# Altium PCB 769BI_LTDC.PcbDoc (part 1 of 3)
Units mm, origin at the board's own origin, x right, y up, seen from the top; angles counter-clockwise.
Board outline 99 x 99 mm, 4 copper layers (Top Layer, GND, VCC_3, Bottom Layer), stack 0.778 mm thick; 232 components, 260 nets, 952 pads, 515 vias.
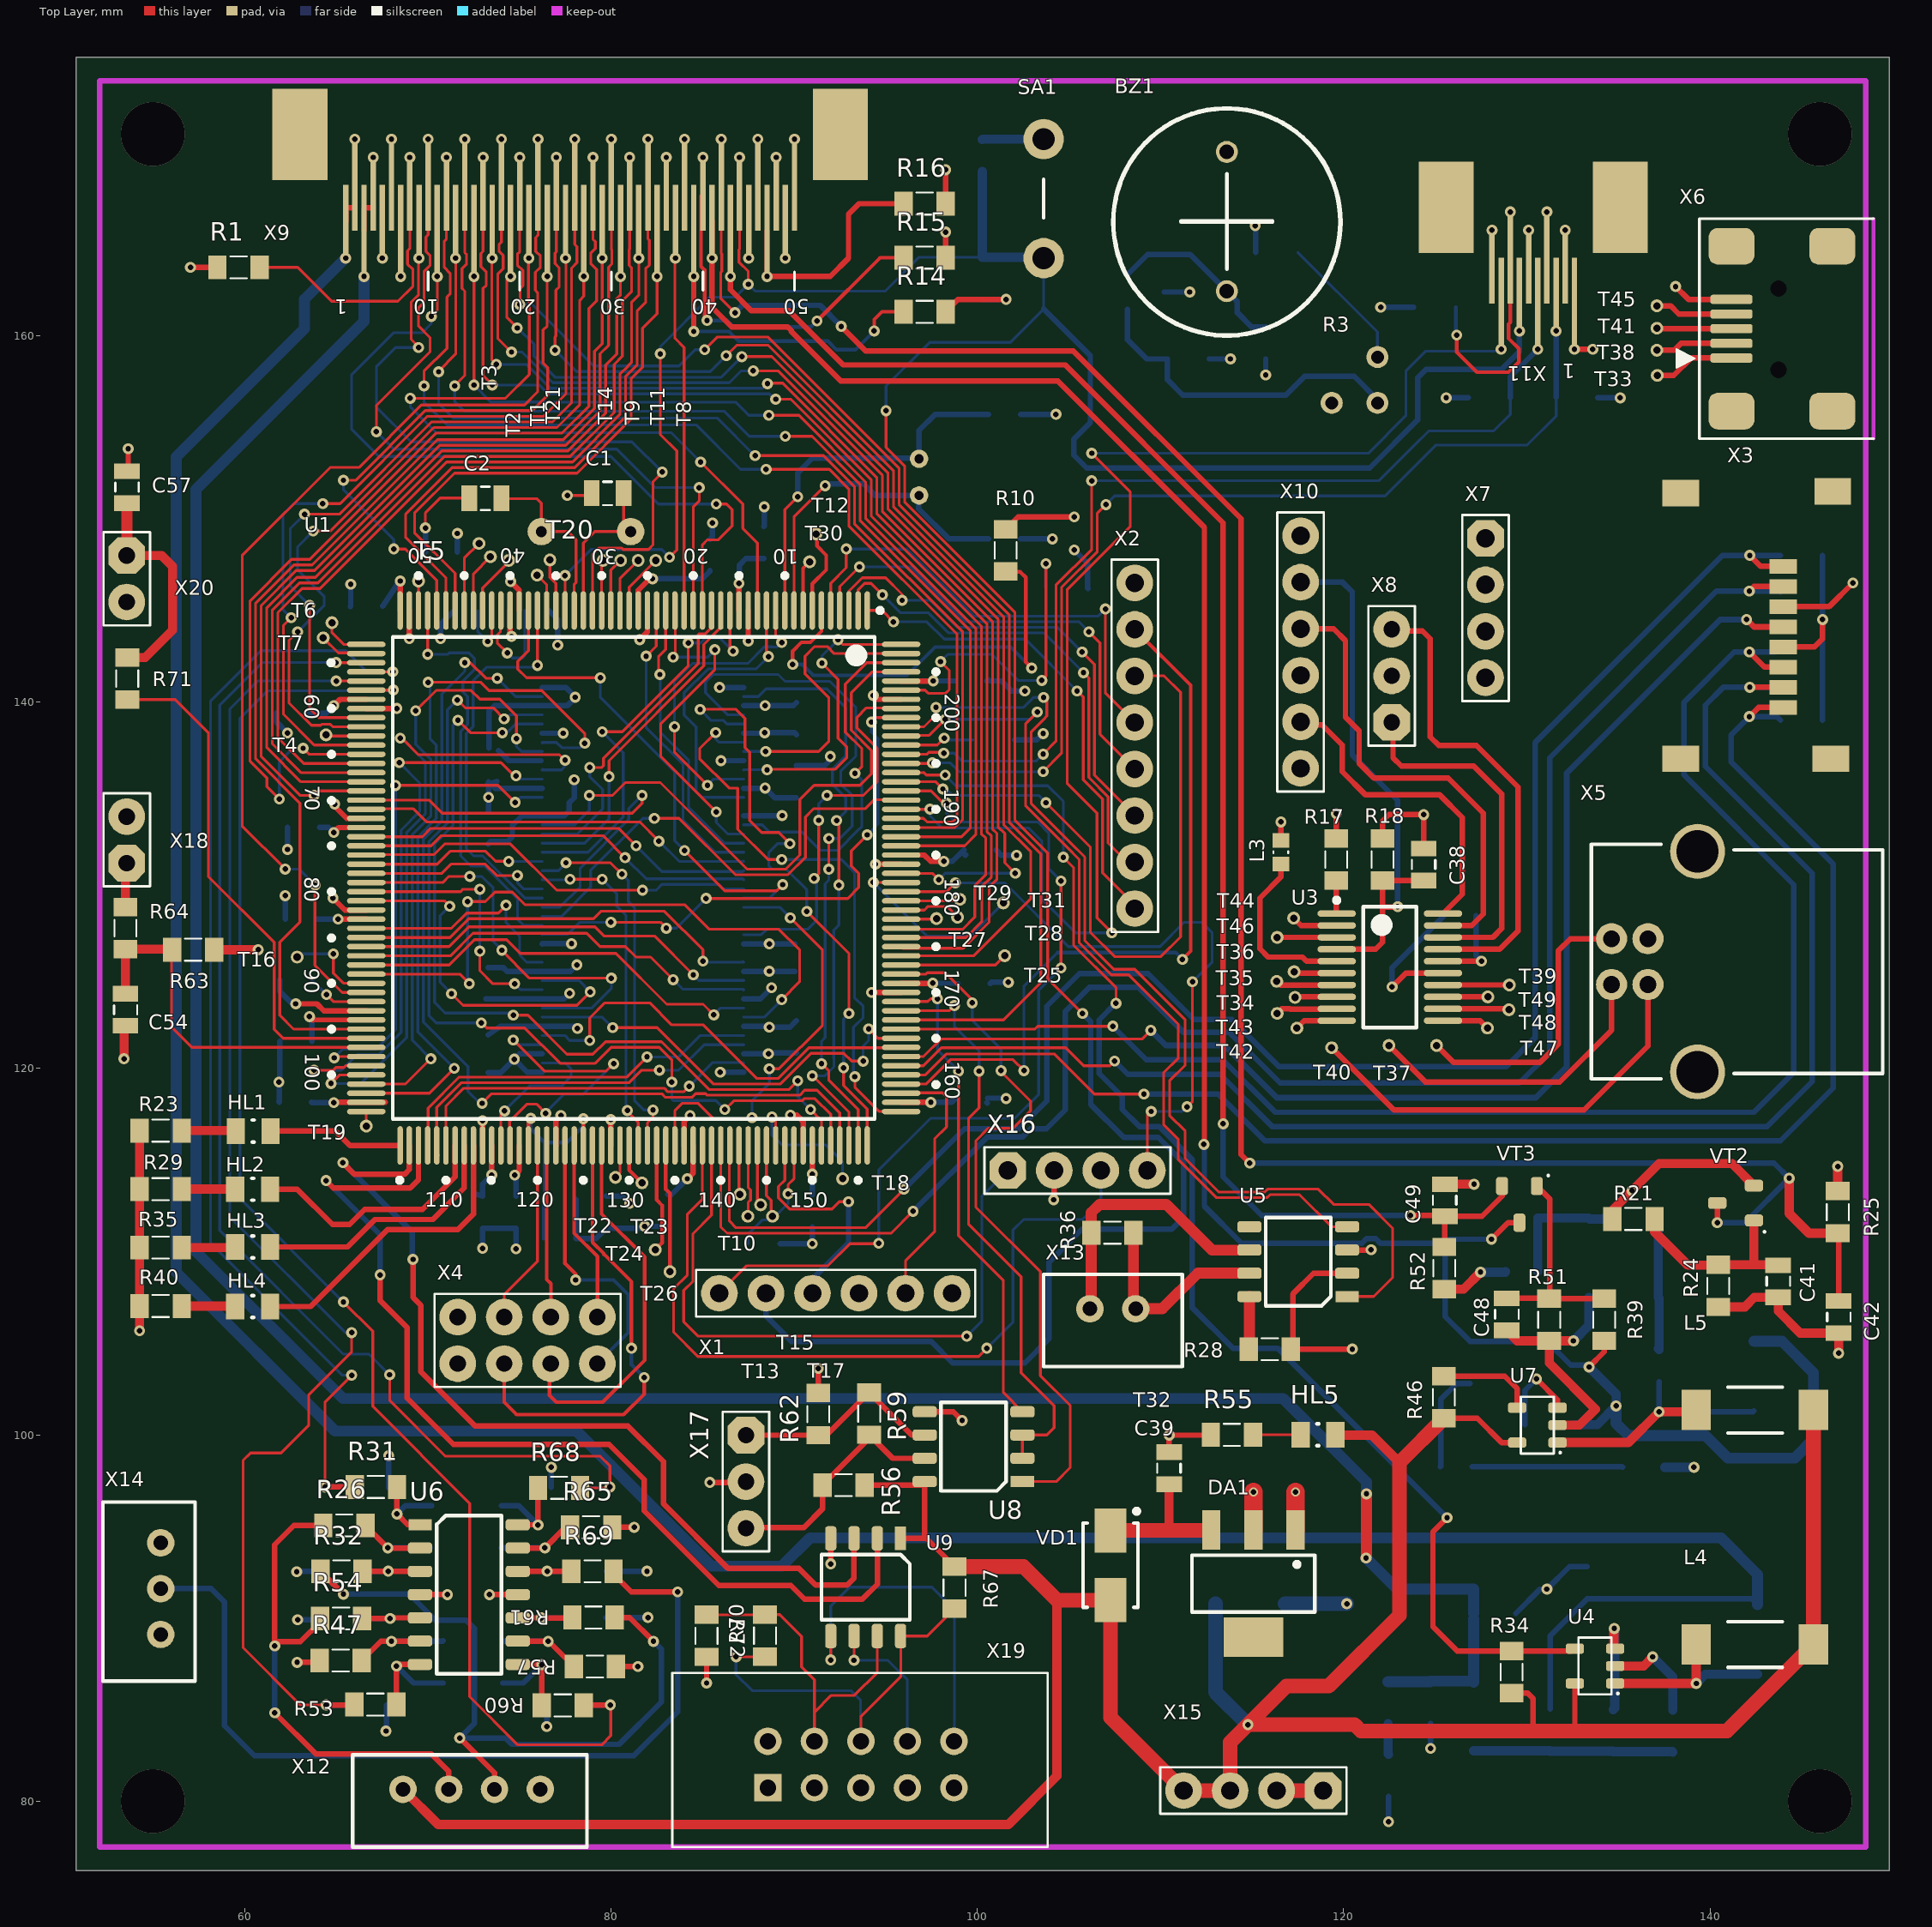
[diagram p0: Top Layer view]
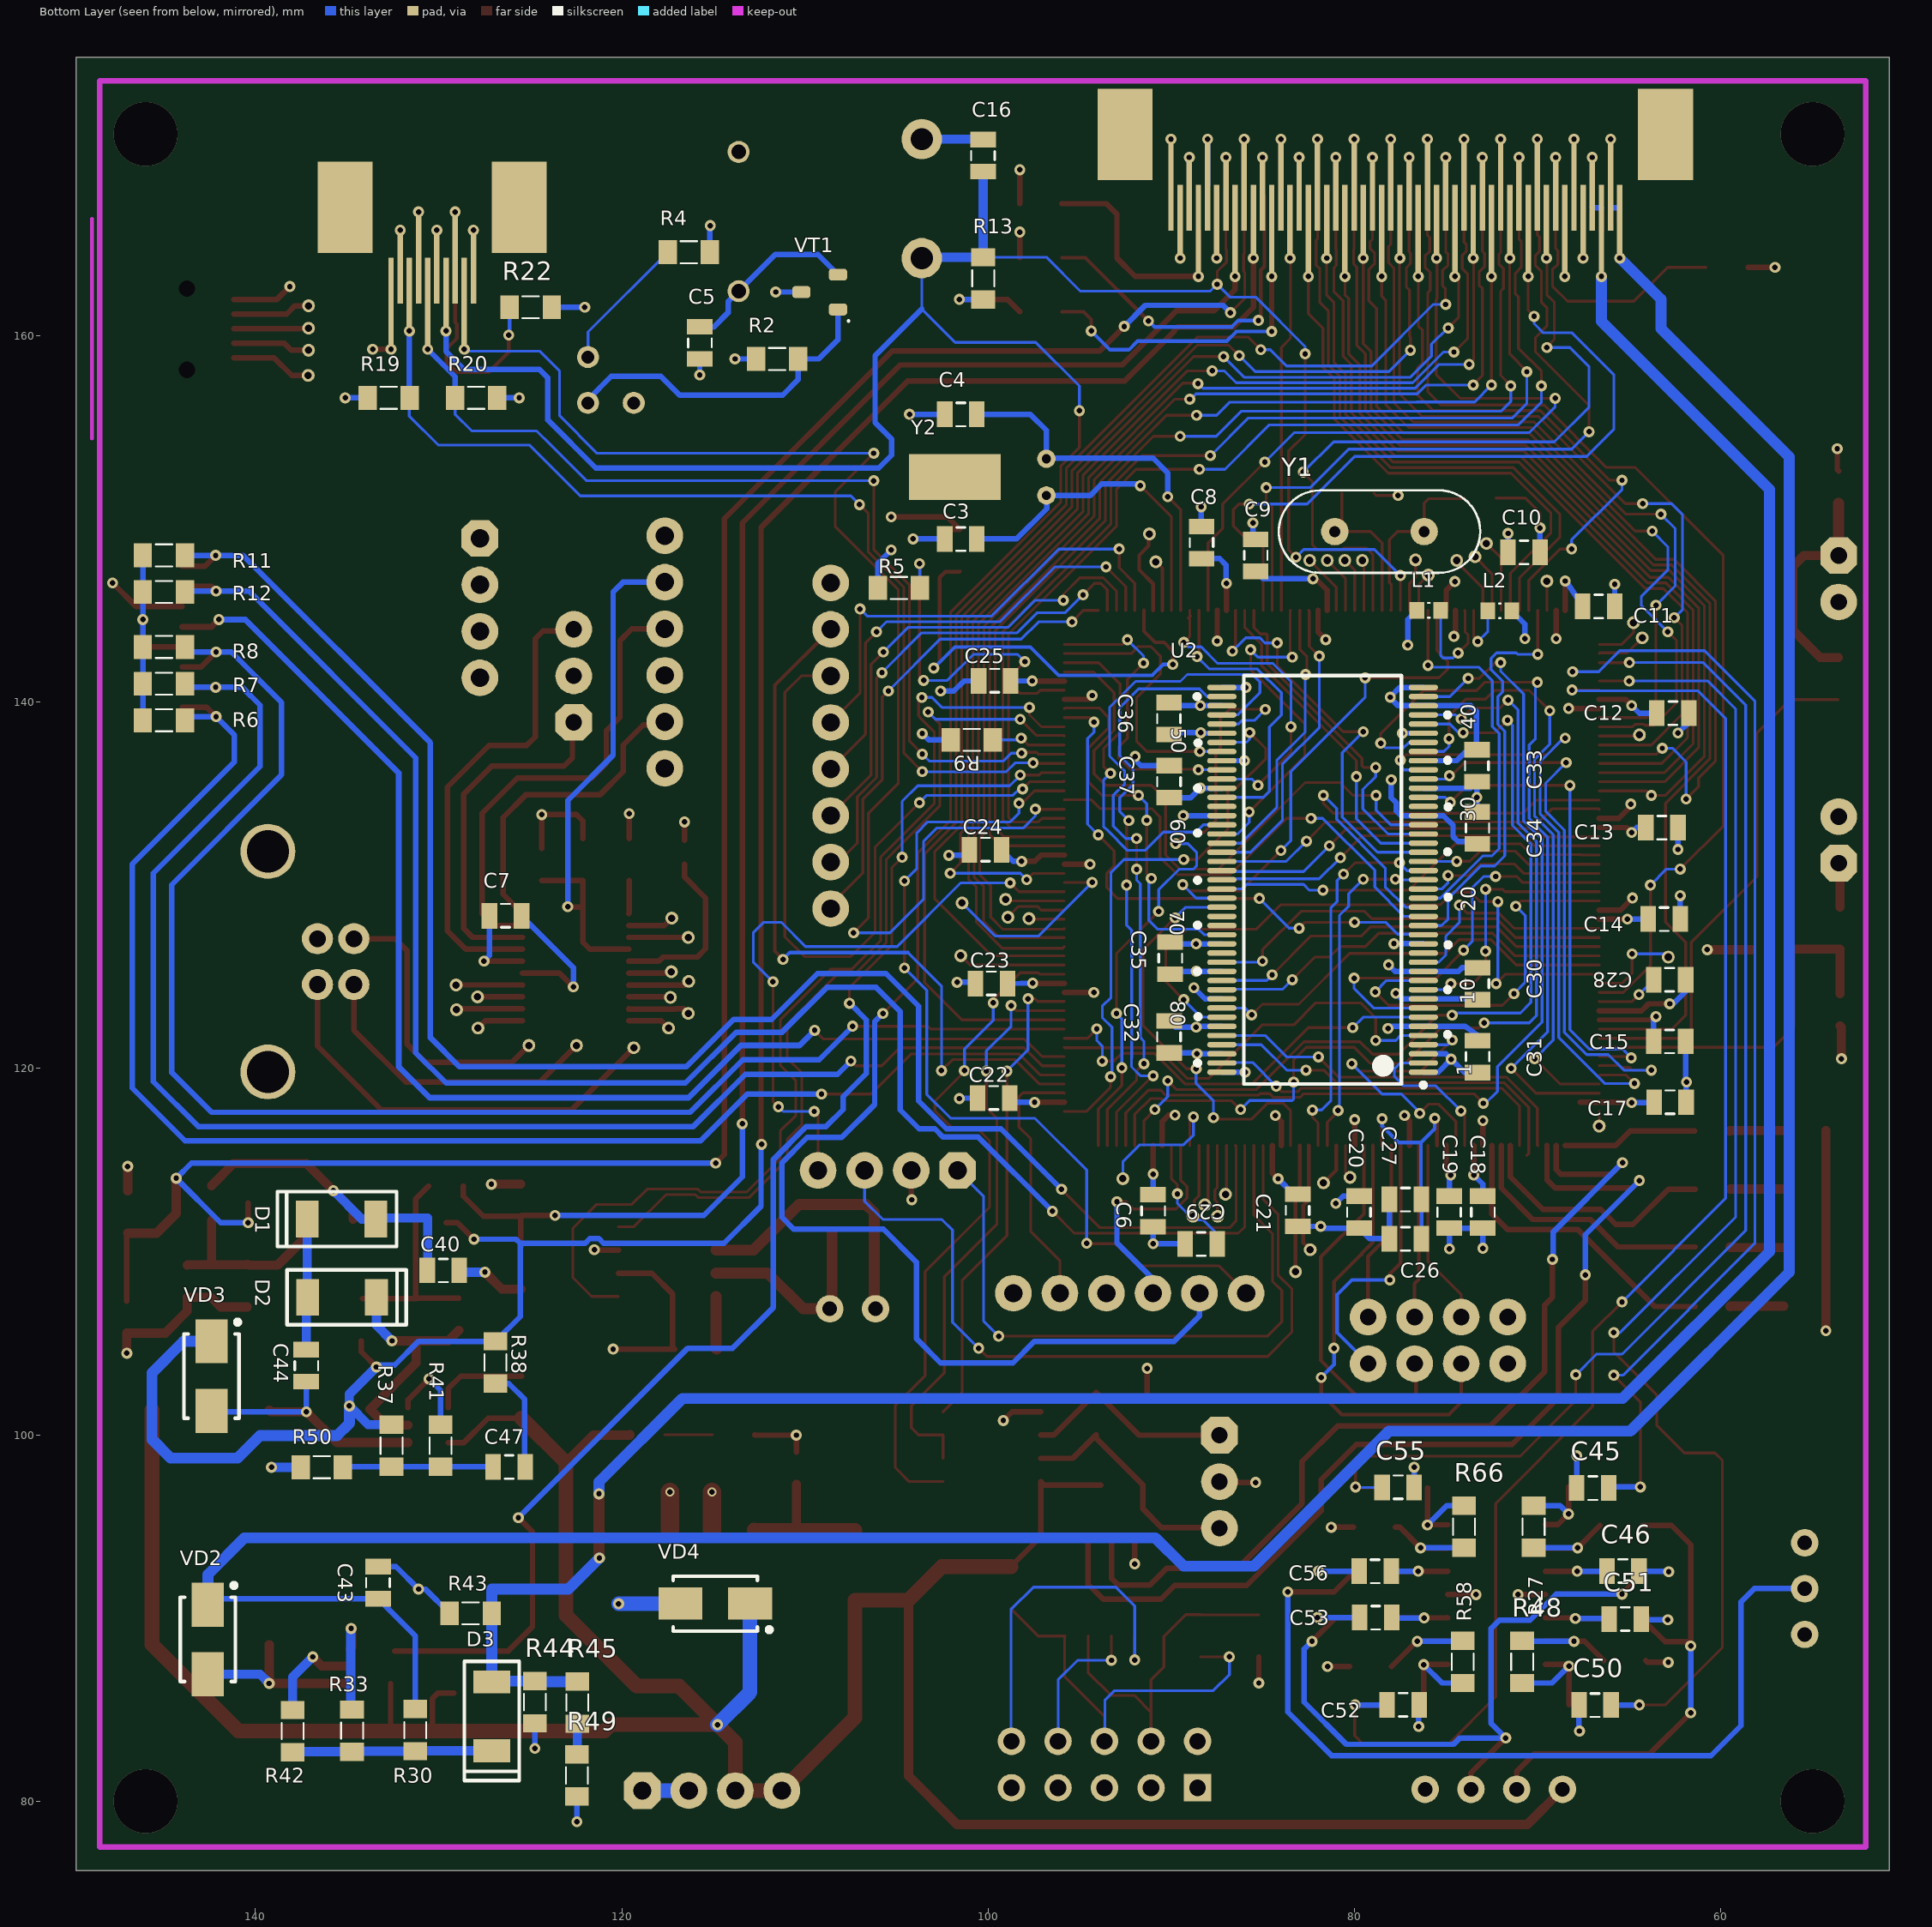
[diagram p1: Bottom Layer view, seen from below]
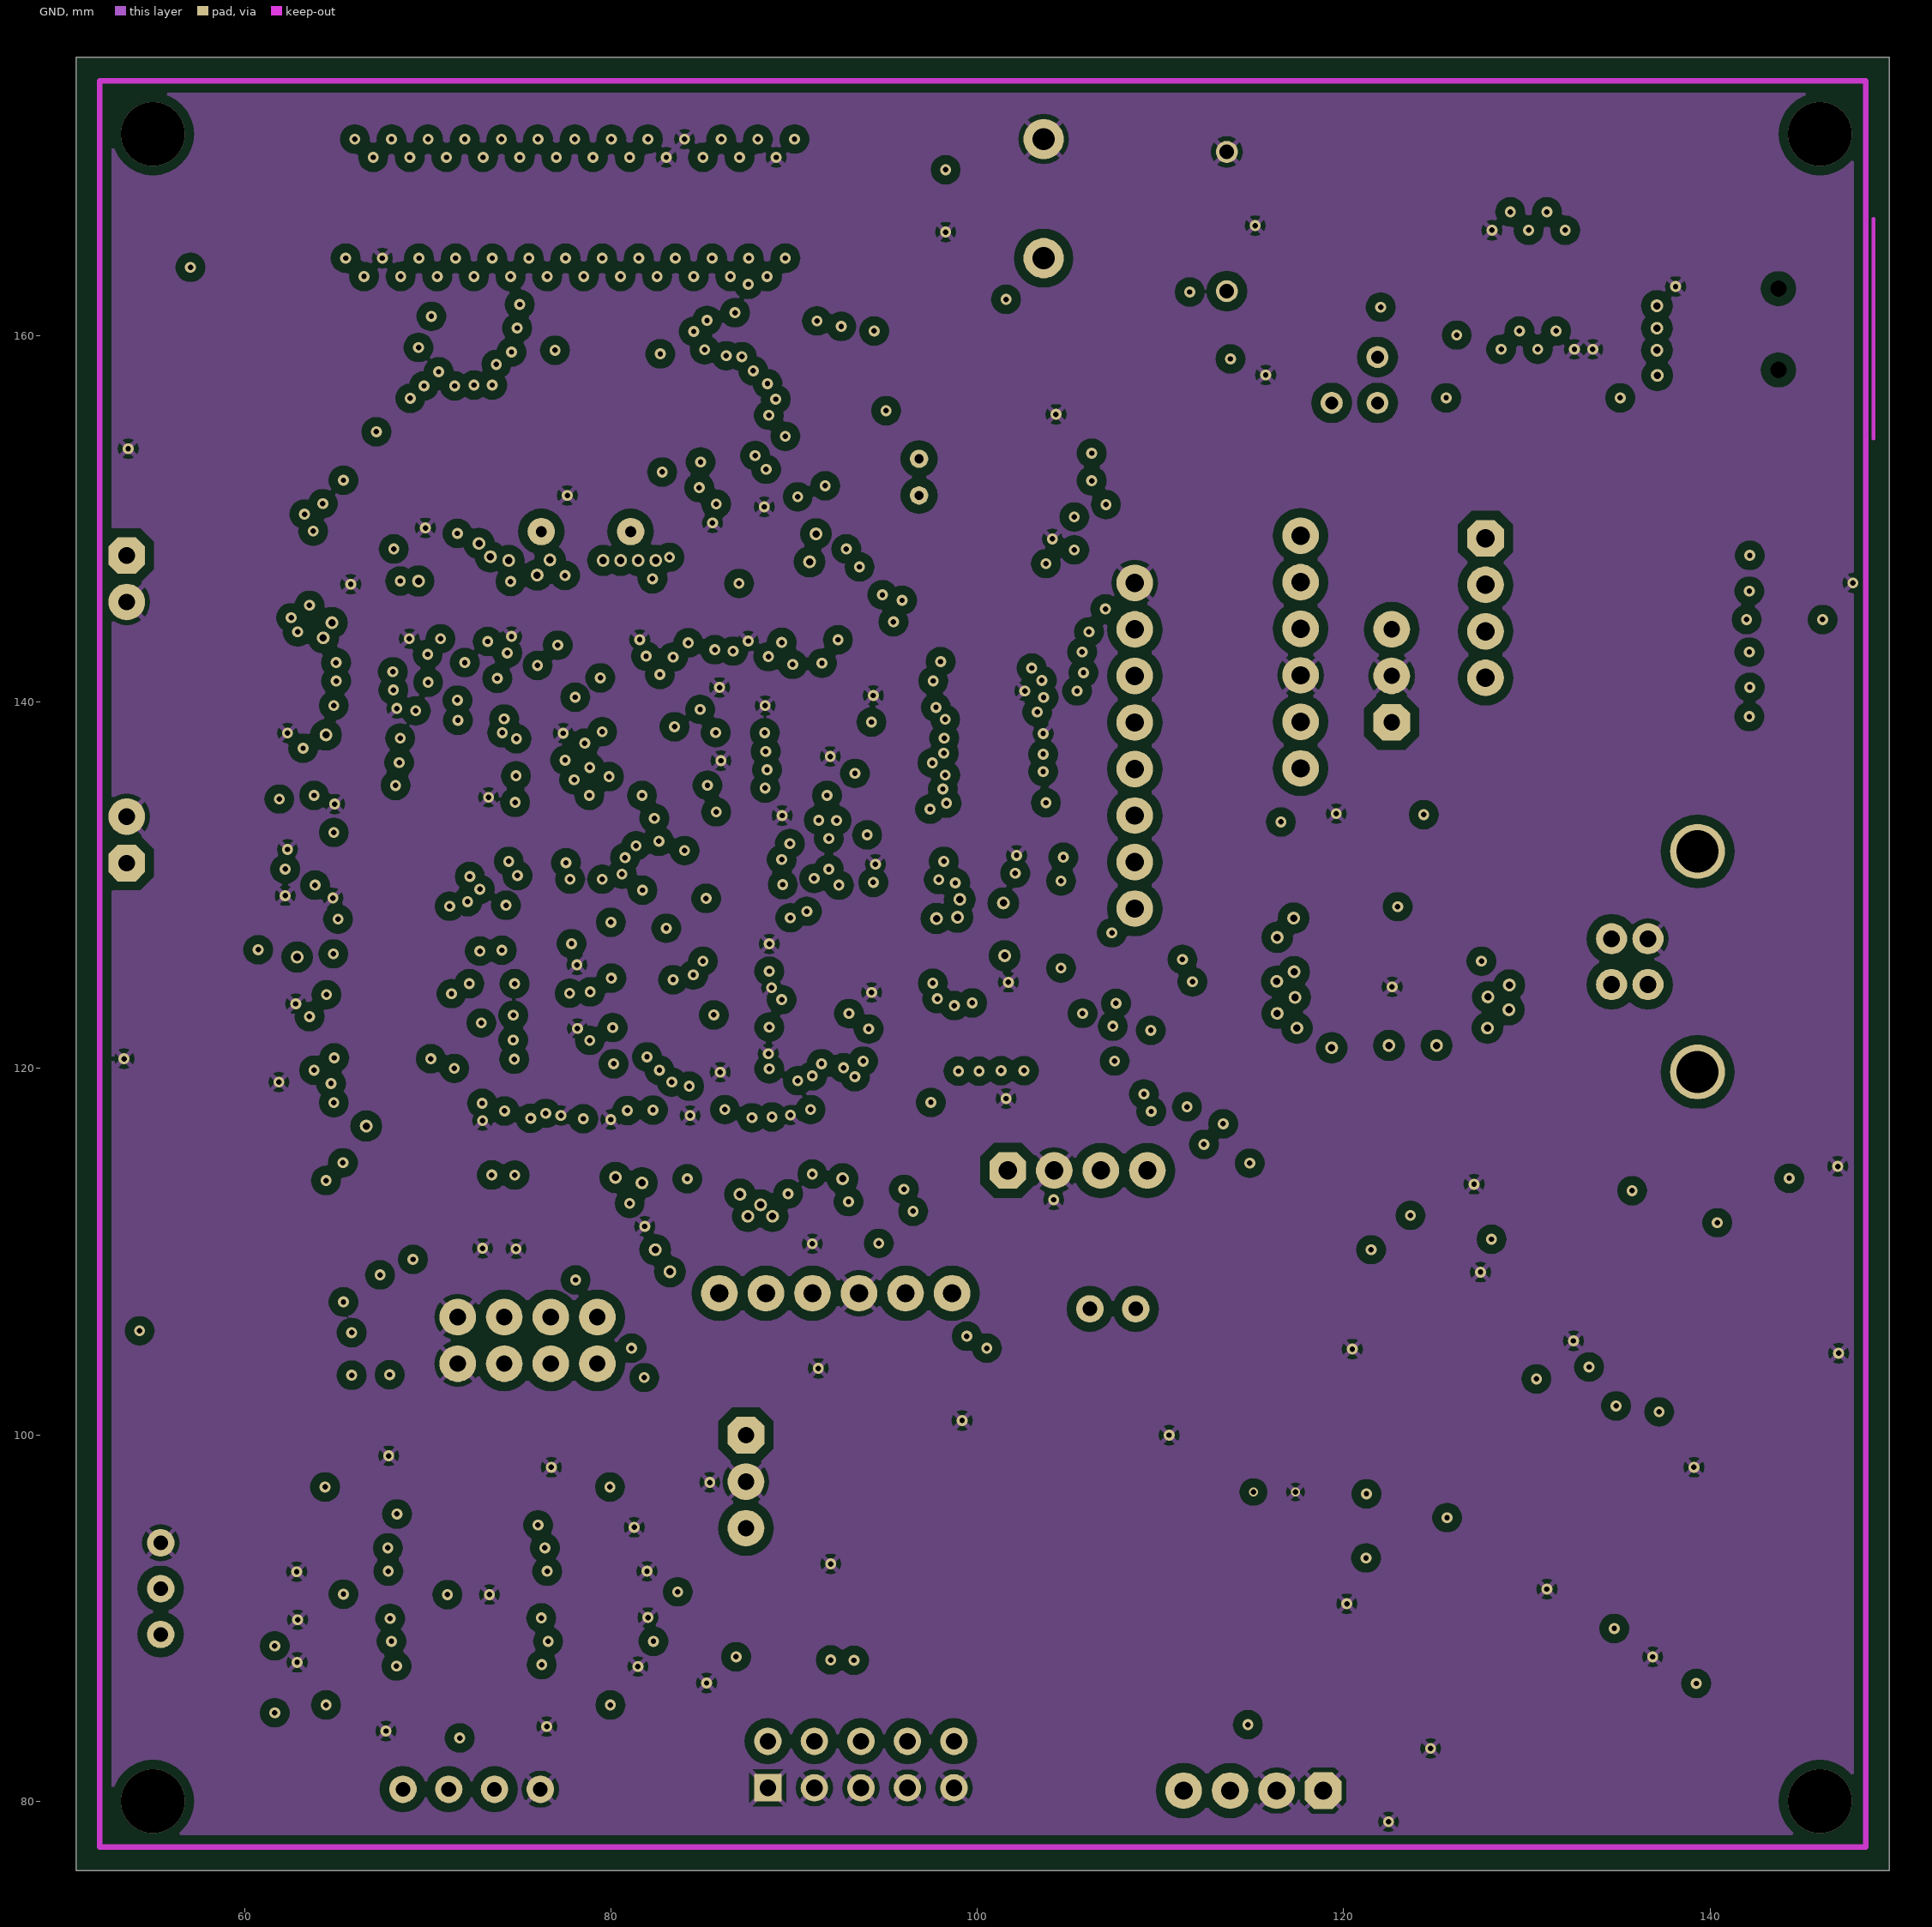
[diagram p2: GND]
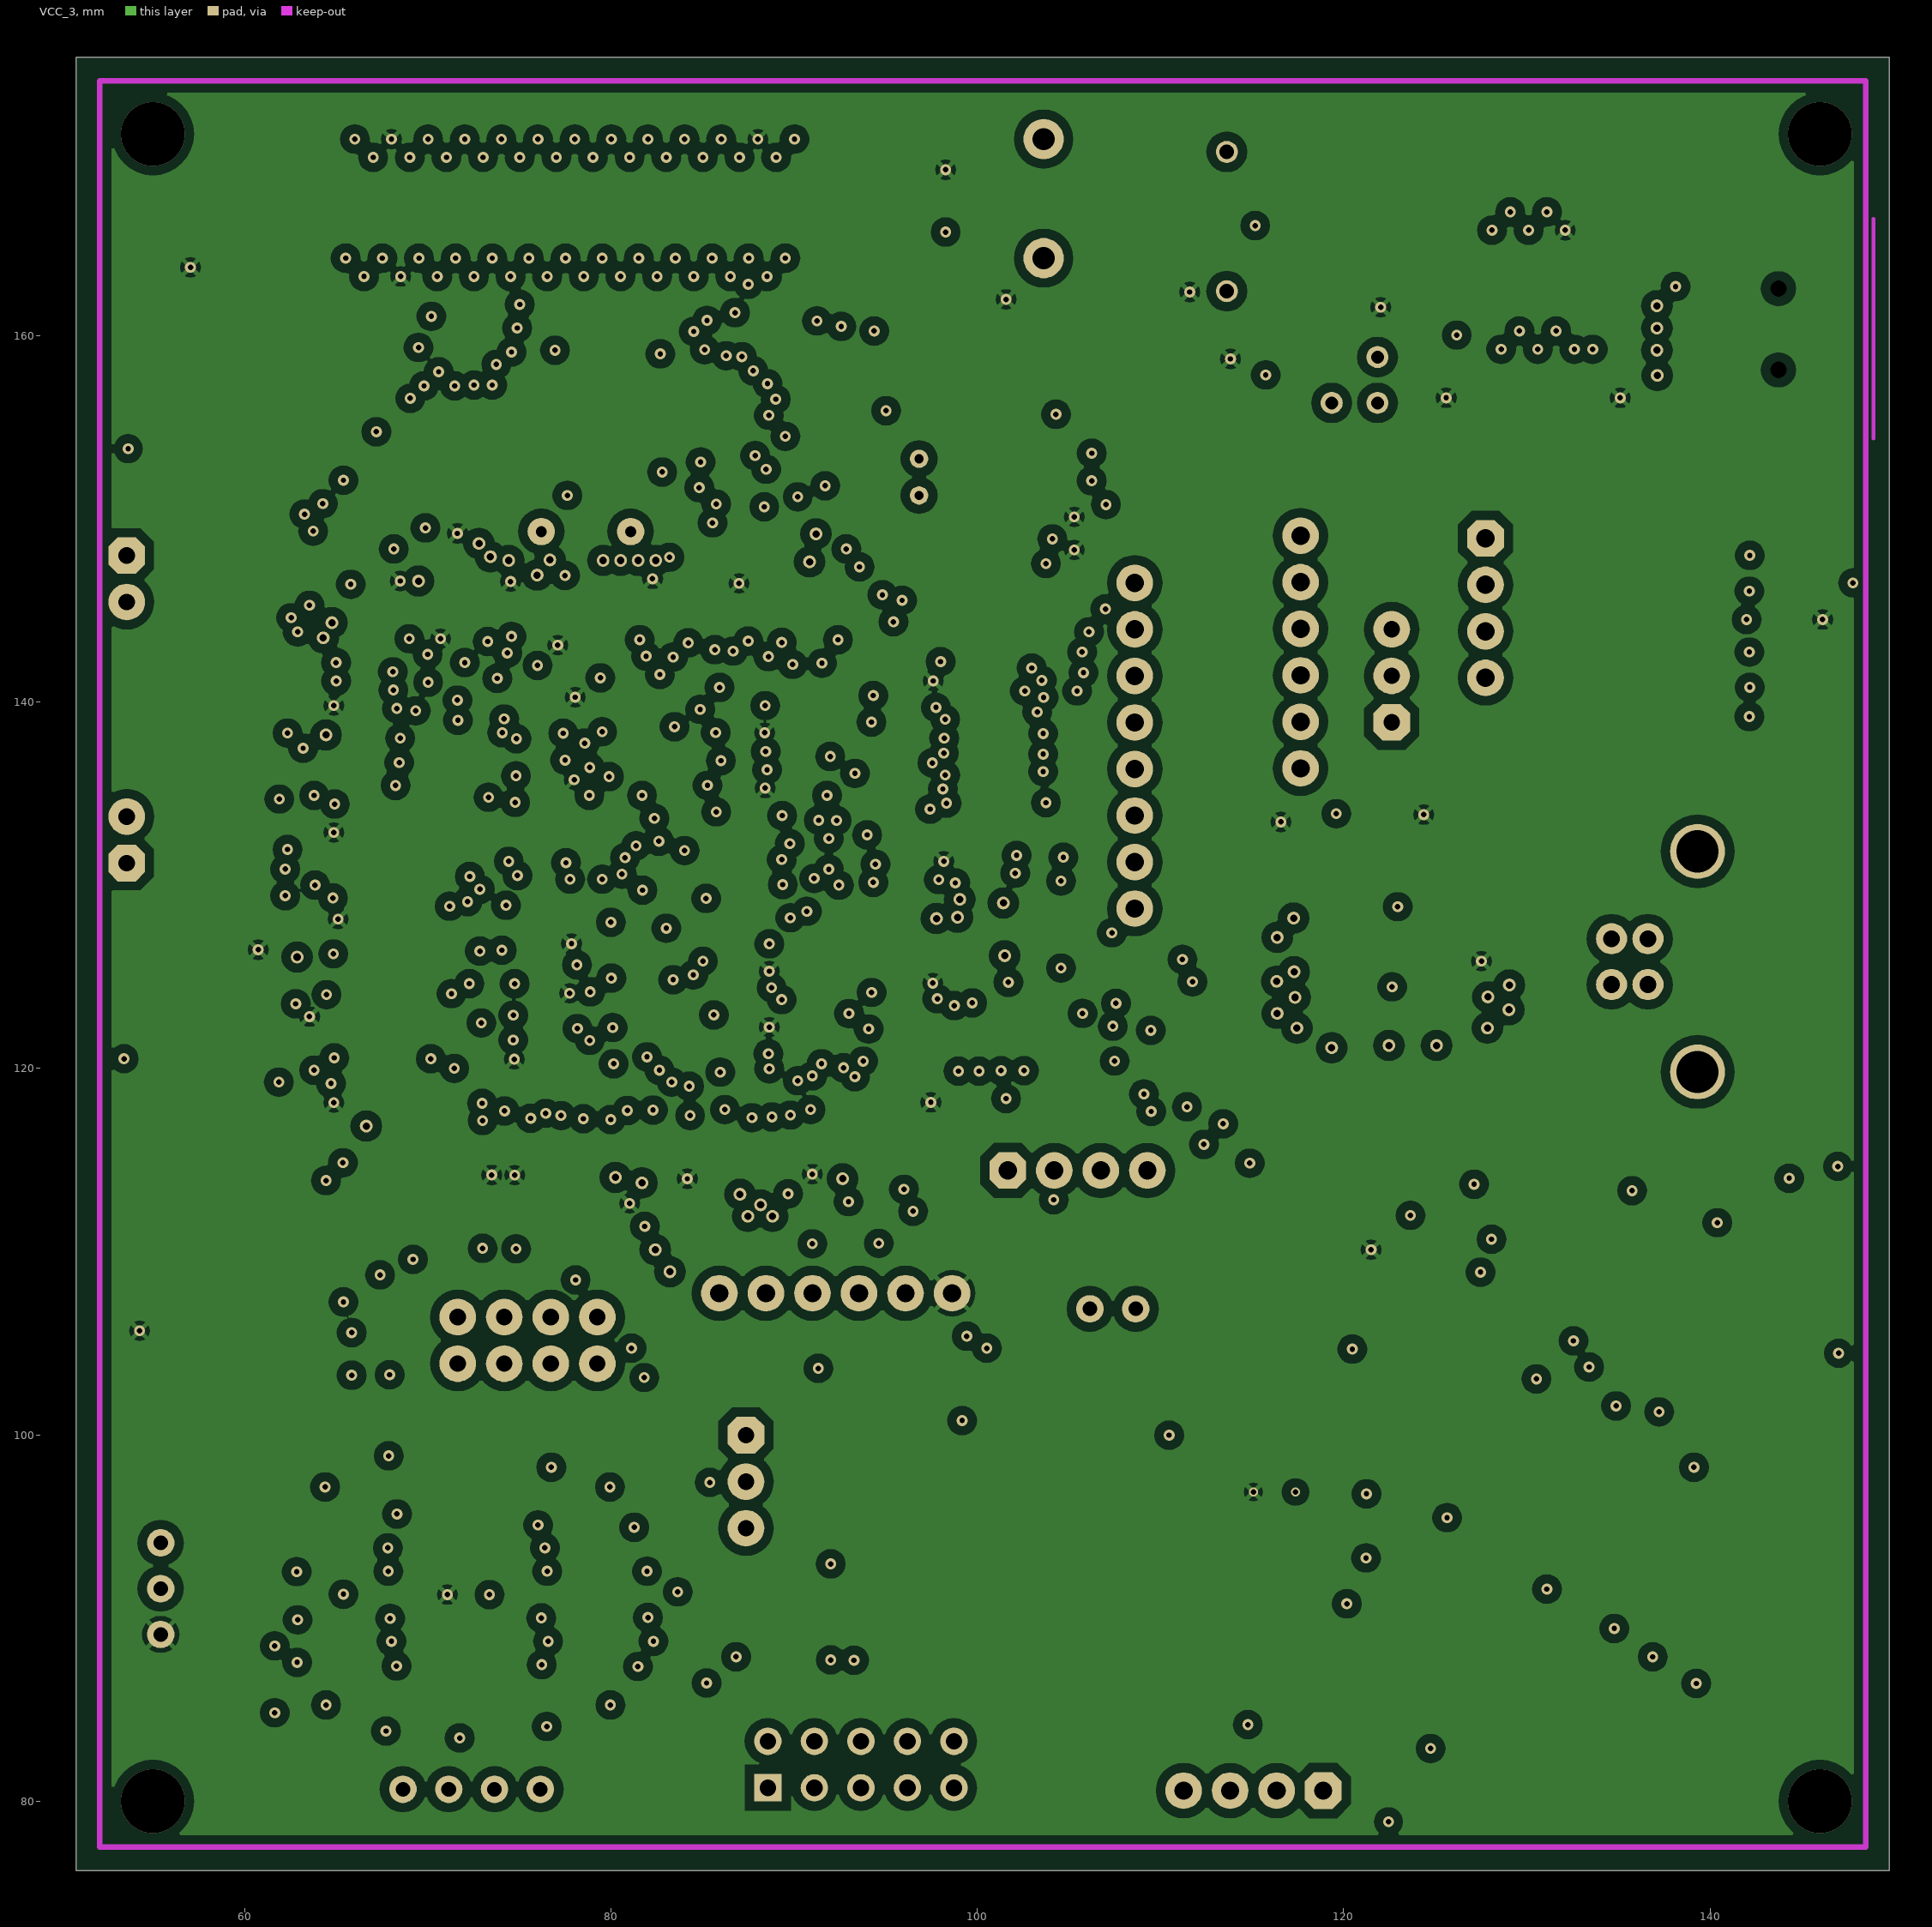
[diagram p3: VCC_3]

## Layer stack, top to bottom
Top Solder: solder mask 0.0102, Solder Resist, Dk 3.5
Top Layer: signal copper 0.0356
Dielectric 1: core 0.254, FR-4, Dk 4.2
GND: signal copper 0.036
Dielectric 3: prepreg 0.127, Dk 4.2
VCC_3: signal copper 0.036
Dielectric 2: core 0.254, Dk 4.2
Bottom Layer: signal copper 0.0356
Bottom Solder: solder mask 0.0102, Solder Resist, Dk 3.5

## Board outline
50.8,76.2 149.8,76.2 149.8,175.2 50.8,175.2

## Design rules (kind name [scope] priority, off if disabled: settings)
Clearance [All] p1: gap=0.152 ignorepadtopadclearanceinfootprint=TRUE except(0.5: Arc-Poly Track-Poly SMDPad-Poly THPad-Poly Via-Poly Fill-Poly Poly-Poly)
ComponentClearance [All] p1: gap=0 collisioncheckmode=3 verticalgap=0 showdistances=TRUE
HoleSize [All] p1: absolutevalues=TRUE maxlimit=5 minlimit=0.025 maxpercent=80.000 minpercent=20.000
MinimumSolderMaskSliver [All] p1: minsoldermaskwidth=0
PolygonConnect [All] p1: connectstyle=Relief reliefconductorwidth=0.254 reliefentries=4 polygonreliefangle="45 Angle" airgapwidth=0.254
RoutingVias [All] p1: holewidth=0.3 width=0.5 viastyle="Through Hole" minholewidth=0.3 minwidth=0.6 maxholewidth=1 maxwidth=3.5
ShortCircuit [All] p1: allowed=TRUE
SilkToSilkClearance [All] p1: silktosilkclearance=0
SilkToSolderMaskClearance [IsPad] p1: minsilkscreentomaskgap=0 clearancetoexposedcopper=TRUE
SolderMaskExpansion [All] p1: expansion=0.102
UnRoutedNet [All] p1: checkbadconnections=TRUE
Width Width_1 [All] p1: maxlimit=2 minlimit=0.152 preferedwidth=0.152
Width "Width VCC_3" [InNet('VCC_3')] p2: maxlimit=2 minlimit=0.3 preferedwidth=1
23 further rules are at their usual default settings.

## Components (designator, comment, footprint, x,y, rotation, side; value= is the part's Value field where it differs from the comment)
BZ1 "Val" BUZZER 113.625,162.425 r90 top
C1 "Val" CAP0805#1 79.825,151.4 r0 top
C2 "Val" CAP0805#1 73.15,151.125 r0 top
C3 "Val" CAP0805#1 101.5,148.9 r180 bottom
C4 "Val" CAP0805#1 101.5,155.7 r180 bottom
C5 "Val" CAP0805#1 115.75,159.6 r90 bottom
C6 "Val" CAP0805#1 91,112.225 r90 bottom
C7 "Val" CAP0805#1 126.35,128.325 r0 bottom
C8 "Val" CAP0805#1 88.35,148.7 r270 bottom
C9 "Val" CAP0805#1 85.4,148 r90 bottom
C10 "Val" CAP0805#1 70.75,148.175 r180 bottom
C11 "Val" CAP0805#1 66.675,145.225 r180 bottom
C12 "Val" CAP0805#1 62.625,139.4 r180 bottom
C13 "Val" CAP0805#1 63.225,133.15 r180 bottom
C14 "Val" CAP0805#1 63.1,128.15 r180 bottom
C15 "Val" CAP0805#1 62.8,121.475 r180 bottom
C16 "Val" CAP0805#1 100.275,169.825 r270 bottom
C17 "Val" CAP0805#1 62.775,118.15 r0 bottom
C18 "Val" CAP0805#1 73,112.15 r90 bottom
C19 "Val" CAP0805#1 74.825,112.15 r270 bottom
C20 "Val" CAP0805#1 79.75,112.15 r270 bottom
C21 "Val" CAP0805#1 83.1,112.25 r270 bottom
C22 "Val" CAP0805#1 99.7,118.375 r0 bottom
C23 "Val" CAP0805#1 99.825,124.625 r0 bottom
C24 "Val" CAP0805#1 100.15,131.925 r0 bottom
C25 "Val" CAP0805#1 99.65,141.15 r0 bottom
C26 "Val" CAP0805#1 77.225,110.7 r180 bottom
C27 "Val" CAP0805#1 77.225,112.847 r180 bottom
C28 "Val" CAP0805#1 62.8,124.825 r0 bottom
C29 "Val" CAP0805#1 88.375,110.425 r180 bottom
C30 "Val" CAP0805#1 73.297,124.618 r270 bottom
C31 "Val" CAP0805#1 73.297,120.643 r90 bottom
C32 "Val" CAP0805#1 90.122,121.718 r270 bottom locked
C33 "Val" CAP0805#1 73.322,136.518 r270 bottom
C34 "Val" CAP0805#1 73.3,133.125 r90 bottom
C35 "Val" CAP0805#1 90.072,126.018 r90 bottom locked
C36 "Val" CAP0805#2 90.131,139.093 r270 bottom locked
C37 "Val" CAP0805#2 90.119,135.65 r270 bottom locked
C38 "Val" CAP0805#1 124.375,131.125 r270 top
C39 "Val" CAP0805#1 110.475,98.175 r270 top
C40 "Val" CAP0805#1 129.75,108.975 r180 bottom
C41 "Val" CAP0805#1 143.725,108.375 r90 top
C42 "Val" CAP0805#1 147.025,106.425 r90 top
C43 "Val" CAP0805#1 133.3,91.925 r270 bottom
C44 "Val" CAP0805#1 137.225,103.775 r90 bottom
C45 "Val" CAP0805#1 67,97.1 r180 bottom
C46 "Val" CAP0805#1 65.35,92.55 r0 bottom
C47 "Val" CAP0805#1 126.15,98.25 r180 bottom
C48 "Val" CAP0805#1 128.9,106.575 r90 top
C49 "Val" CAP0805#1 125.525,112.8 r270 top
C50 "Val" CAP0805#1 66.875,85.25 r180 bottom
C51 "Val" CAP0805#1 65.225,89.928 r0 bottom
C52 "Val" CAP0805#1 77.35,85.25 r0 bottom
C53 "Val" CAP0805#1 78.85,90.025 r180 bottom
C54 "Val" CAP0805#1 53.5,123.2 r90 top
C55 "Val" CAP0805#1 77.625,97.125 r0 bottom
C56 "Val" CAP0805#1 78.875,92.55 r180 bottom
C57 "Val" CAP0805#1 53.575,151.725 r90 top
D1 "LL4148" SOD-80 135.3,111.775 r0 bottom
D2 "LL4148" SOD-80 135.275,107.5 r180 bottom
D3 "LL4148" SOD-80 127.1,84.625 r270 bottom
DA1 "LM1117-3.3" SOT233 115.075,91.875 r270 top
HL1 "KP-2012EC" LED_SMD 60.475,116.575 r0 top
HL2 "KP-2012EC" LED_SMD 60.45,113.4 r0 top
HL3 "KP-2012EC" LED_SMD 60.45,110.25 r0 top
HL4 "KP-2012EC" LED_SMD 60.45,107 r0 top
HL5 "KP-2012EC" LED_SMD 118.6,100 r180 top
L1 "Bead" RES0603 75.95,145 r0 bottom
L2 "Bead" RES0603 72.075,144.975 r180 bottom
L3 "Bead" RES0603 116.575,131.8 r270 top
L4 "10u" L_CDRH74-100 142.45,88.55 r180 top
L5 "10u" L_CDRH74-100 142.45,101.348 r180 top
R1 "Val" RES0805 59.672,163.725 r180 top
R2 "Val" RES0805 111.525,158.725 r180 bottom
R3 "Val" RES_VAR 119.35,156.325 r0 top
R4 "Val" RES0805 116.35,164.55 r0 bottom
R5 "Val" RES0805 104.875,146.225 r180 bottom
R6 "Val" RES0805 145,139 r0 bottom
R7 "Val" RES0805 145,141 r0 bottom
R8 "Val" RES0805 145,143 r0 bottom
R9 "Val" RES0805 100.9,137.925 r0 bottom
R10 "Val" RES0805 101.55,148.275 r270 top
R11 "Val" RES0805 145,148 r180 bottom
R12 "Val" RES0805 145,146 r0 bottom
R13 "Val" RES0805 100.275,163.125 r90 bottom
R14 "Val" RES0805 97.125,161.3 r0 top
R15 "Val" RES0805 97.125,164.25 r0 top
R16 "Val" RES0805 97.125,167.2 r0 top
R17 "Val" RES0805 119.6,131.4 r270 top
R18 "Val" RES0805 122.125,131.4 r270 top
R19 "Val" RES0805 132.725,156.6 r0 bottom
R20 "Val" RES0805 127.95,156.6 r180 bottom
R21 "Val" RES0805 135.825,111.775 r180 top
R22 "Val" RES0805 124.975,161.55 r180 bottom
R23 "Val" RES0805 55.425,116.6 r0 top
R24 "Val" RES0805 140.45,108.125 r270 top